# Altium PCB PCB1.PcbDoc (part 5 of 5)
Units mm, origin at the board's own origin, x right, y up, seen from the top; angles counter-clockwise.
Board outline 140 x 90 mm, 6 copper layers (Top Layer, GND, Power, Layer 4, GND2, Bottom Layer), stack 1.503 mm thick; 176 components, 276 nets, 1448 pads, 686 vias.
Unrouted connection lines stored in the file: 7.
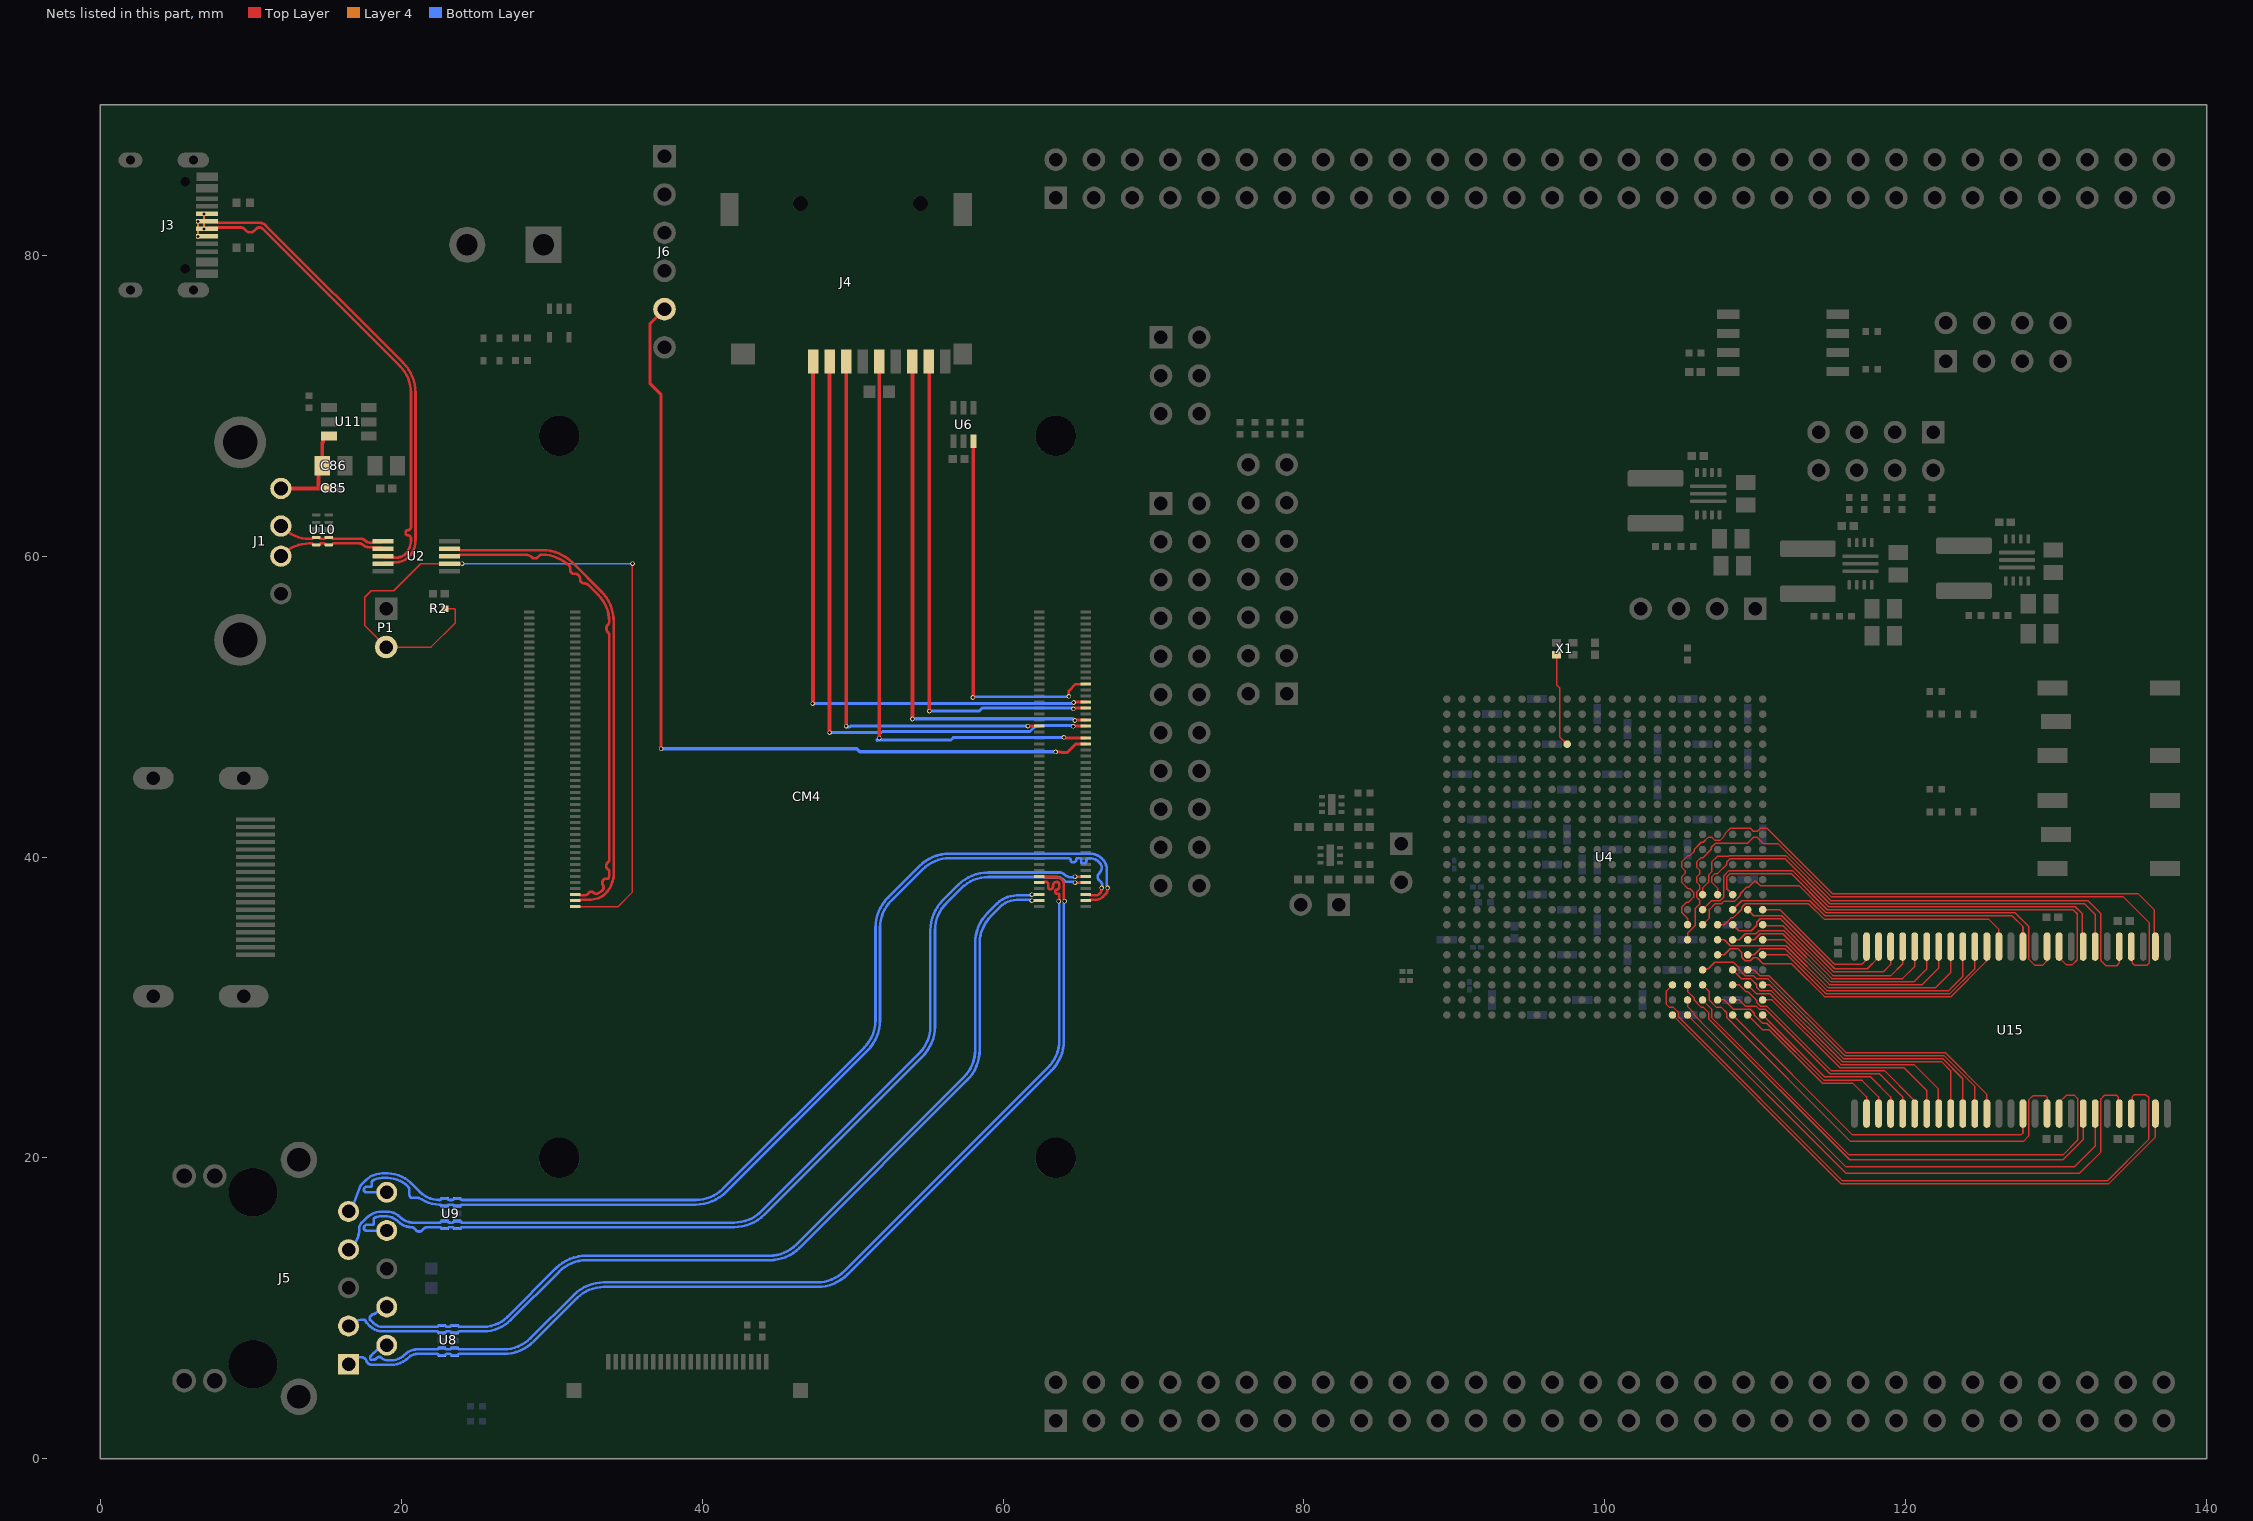
[diagram p9: the nets of this part, all layers, seen from the top]

## Via types
v1: diameter 0.305, hole 0.203, Top Layer to Bottom Layer, 686 vias

## Nets (pads, with @x,y where several pads share a name; then routed paths per layer and width w, separated by ;. In a path a pad name is that pad's centre, name@x,y a point inside that pad or via, vN(x,y) a via of type N, cw(c..) or ccw(c..) an arc to the next point about the centre after c; other vN are vias at no path point) (continued)
SD_CLK: CM4.57 J4.5 | length 39.2
  Top Layer w0.203: v1(64.05,47.956) 64.106,47.9 CM4.57@65.5,47.9
  Top Layer w0.254: v1(51.775,47.906) J4.5@51.775,72.95
  Bottom Layer w0.203: 51.644,47.775 56.537,47.775 56.718,47.956 v1(64.05,47.956)
  Bottom Layer w0.254: 51.644,47.775 v1(51.775,47.906)
SD_CMD: CM4.62 J4.3 | length 37.1
  Top Layer w0.203: v1(61.65,48.7) CM4.62@62.42,48.7
  Top Layer w0.254: v1(49.575,48.7) J4.3@49.575,72.95
  Bottom Layer w0.203: v1@49.6,48.654 49.811,48.654 49.857,48.7 v1(61.65,48.7)
  Bottom Layer w0.254: v1(49.575,48.7) v1@49.6,48.675
SD_DAT0: CM4.63 J4.7 | length 35.4
  Top Layer w0.203: v1(64.775,49.075) 64.803,49.075 64.827,49.1 CM4.63@65.5,49.1
  Top Layer w0.254: v1(53.975,49.175) J4.7@53.975,72.95
  Bottom Layer w0.203: v1@53.975,49.213 53.993,49.194 64.629,49.194 64.748,49.075 v1(64.775,49.075)
SD_DAT1: CM4.67 J4.8 | length 33.8
  Top Layer w0.203: v1(64.675,49.85) 64.702,49.85 64.753,49.9 CM4.67@65.5,49.9
  Top Layer w0.254: v1(55.1,49.7) J4.8@55.1,72.95
  Bottom Layer w0.203: v1(55.1,49.7) 58.4,49.7 58.6,49.9 64.598,49.9 64.648,49.85 v1(64.675,49.85)
SD_DAT2: CM4.69 J4.1 | length 40.9
  Top Layer w0.203: v1(64.7,50.275) 64.727,50.275 64.753,50.3 CM4.69@65.5,50.3
  Top Layer w0.254: v1(47.351,50.203) 47.36,50.213 47.36,72.935 J4.1@47.375,72.95
  Bottom Layer w0.203: v1(47.351,50.203) 64.601,50.203 64.672,50.275 v1(64.7,50.275)
SD_DAT3: CM4.61 J4.2 | length 41.9
  Top Layer w0.203: v1(64.669,48.685) 64.682,48.698 CM4.61@65.5,48.7 CM4.61@65.5,48.7
  Top Layer w0.254: v1(48.475,48.275) J4.2@48.475,72.95
  Bottom Layer w0.203: v1(48.475,48.275) 51.928,48.275 52,48.347 61.796,48.347 62.202,48.753 64.574,48.753 64.641,48.685 v1(64.669,48.685)
SD_PWR_ON: CM4.75 U6.3 | length 25.1
  Top Layer w0.174: v1(64.378,50.677) 64.378,51.053 64.812,51.487 65.487,51.487 CM4.75@65.5,51.5
  Top Layer w0.254: v1(58,50.605) 58,50.619 58.025,50.644 U6.3@58.025,67.65
  Bottom Layer w0.174: v1@58,50.65 64.351,50.65 v1(64.378,50.677)
SDRAM_A0: U4.AB7 U15.23 | length 12.2
  Top Layer w0.1: U4.AB7@110.5,35.5 110.575,35.426 111.869,35.426 115.17,32.125 119.025,32.125 119.8,32.9 U15.23@119.8,34.05
SDRAM_A1: U4.Y7 U15.24 | length 14
  Top Layer w0.1: U4.Y7@108.5,35.5 108.899,35.101 109.742,35.101 110.101,35.46 110.101,35.665 110.335,35.899 111.677,35.899 115.2,32.376 118.527,32.376 119,32.849 U15.24@119,34.05
SDRAM_A2: U4.AA8 U15.25 | length 11.4
  Top Layer w0.1: U4.AA8@109.5,36.5 109.902,36.098 111.76,36.098 115.283,32.575 117.45,32.575 118.2,33.325 U15.25@118.2,34.05
SDRAM_A3: U4.AB8 U15.26 | length 9.4
  Top Layer w0.1: U4.AB8@110.5,36.5 111.639,36.5 115.264,32.875 117.095,32.875 117.333,33.113 117.333,33.983 U15.26@117.4,34.05
SDRAM_A4: U4.AA1 U15.29 | length 11.3
  Top Layer w0.1: U4.AA1@109.5,29.5 110.475,28.525 110.912,28.525 114.485,24.952 116.498,24.952 117.4,24.05 U15.29@117.4,22.95
SDRAM_A5: U4.W2 U15.30 | length 14.5
  Top Layer w0.1: U4.W2@107.5,30.5 107.936,30.5 108.537,29.899 109.665,29.899 109.942,29.623 109.942,29.494 110.486,28.95 110.769,28.95 114.568,25.151 117.099,25.151 118.2,24.05 U15.30@118.2,22.95
SDRAM_A6: U4.AB1 U15.31 | length 11.9
  Top Layer w0.1: U4.AB1@110.5,29.5 114.592,25.408 117.642,25.408 119,24.05 U15.31@119,22.95
SDRAM_A7: U4.Y2 U15.32 | length 15.1
  Top Layer w0.1: U4.Y2@108.5,30.5 108.936,30.5 109.338,30.098 110.056,30.098 110.255,29.899 110.665,29.899 114.957,25.607 118.243,25.607 119.8,24.05 U15.32@119.8,22.95
SDRAM_A8: U4.Y3 U15.33 | length 16.2
  Top Layer w0.1: U4.Y3@108.5,31.5 108.936,31.5 109.391,31.044 109.52,31.044 110.1,30.464 110.1,30.336 110.338,30.098 110.748,30.098 115.04,25.806 118.594,25.806 120.497,23.903 120.497,23.872 120.6,23.77 U15.33@120.6,22.95
SDRAM_A9: U4.AB2 U15.34 | length 14.9
  Top Layer w0.1: U4.AB2@110.5,30.5 111.124,30.5 115.619,26.005 119.87,26.005 121.4,24.475 U15.34@121.4,22.95
SDRAM_A10: U4.Y6 U15.22 | length 15.3
  Top Layer w0.1: U4.Y6@108.5,34.5 108.936,34.5 109.338,34.902 110.056,34.902 110.252,35.098 111.916,35.098 115.095,31.919 119.794,31.919 120.6,32.725 U15.22@120.6,34.05
SDRAM_A11: U4.AA3 U15.35 | length 17.2
  Top Layer w0.1: U4.AA3@109.5,31.5 110,31 110.098,30.902 111.004,30.902 115.702,26.204 120.546,26.204 122.175,24.575 122.175,22.975 U15.35@122.2,22.95
SDRAM_A12: U4.Y4 U15.36 | length 20.2
  Top Layer w0.1: U4.Y4@108.5,32.5 109.101,31.899 109.713,31.899 110.101,31.511 110.101,31.335 110.335,31.101 111.086,31.101 115.784,26.403 122.378,26.403 123,25.781 U15.36@123,22.95
SDRAM_BA0: U4.AB6 U15.20 | length 14.8
  Top Layer w0.1: U4.AB6@110.5,34.5 111.951,34.5 114.93,31.521 121.096,31.521 122.2,32.625 U15.20@122.2,34.05
SDRAM_BA1: U4.AA6 U15.21 | length 15.2
  Top Layer w0.1: U4.AA6@109.5,34.5 109.936,34.5 110.335,34.899 111.833,34.899 115.012,31.72 120.57,31.72 121.4,32.55 U15.21@121.4,34.05
SDRAM_CAS#: U4.AB5 U15.17 | length 17.3
  Top Layer w0.1: U4.AB5@110.5,33.5 112.106,33.5 114.682,30.924 122.943,30.924 124.6,32.581 U15.17@124.6,34.05
SDRAM_CKE: U4.AB3 U15.37 | length 18.2
  Top Layer w0.1: U4.AB3@110.5,31.5 110.969,31.5 115.867,26.602 122.46,26.602 123.8,25.262 U15.37@123.8,22.95
SDRAM_CLK: U4.V4 U15.38 | length 23.6
  Top Layer w0.1: U4.V4@106.5,32.5 106.577,32.577 106.885,32.577 107.308,33 108.564,33 108.95,32.615 108.95,32.486 109.335,32.101 109.899,32.101 110.101,31.899 110.445,31.899 110.851,31.899 115.949,26.801 122.543,26.801 124.6,24.744 U15.38@124.6,22.95
SDRAM_CS#: U4.W6 U15.19 | length 19
  Top Layer w0.1: U4.W6@107.5,34.5 107.936,34.5 108.335,34.101 112.068,34.101 114.847,31.322 121.997,31.322 123,32.325 U15.19@123,34.05
SDRAM_DQ0: U4.U7 U15.2 | length 42.9
  Top Layer w0.1: U4.U7@105.5,35.5 105.5,35.936 105.101,36.335 105.101,36.665 105.436,37 105.564,37 105.899,37.335 105.899,37.665 105.665,37.899 105.537,37.899 105.101,38.335 105.101,38.675 105.361,38.935 105.361,39.074 105.101,39.335 105.101,39.665 105.537,40.101 105.665,40.101 105.942,40.377 105.942,40.506 106.419,40.983 106.548,40.983 106.866,41.301 107.134,41.301 107.335,41.101 107.665,41.101 107.899,41.335 107.899,41.399 108,41.5 108,41.564 108.335,41.899 109.697,41.899 109.875,41.721 110.157,41.721 110.335,41.899 110.802,41.899 115.151,37.55 135.475,37.55 136.538,36.487 136.538,34.112 U15.2@136.6,34.05
SDRAM_DQ1: U4.U6 U15.4 | length 44.2
  Top Layer w0.1: U4.U6@105.5,34.5 105.5,34.929 106,35.429 106,36.564 106.301,36.866 106.301,37.125 106.248,37.179 106.248,37.188 106.101,37.335 106.101,37.665 106.301,37.866 106.301,38.134 106.101,38.335 106.101,38.665 106.301,38.866 106.301,39.134 106.101,39.335 106.101,39.665 106.377,39.942 106.506,39.942 107.08,40.515 107.08,40.644 107.338,40.902 109.466,40.902 109.782,41.218 109.792,41.218 109.875,41.301 110.134,41.301 110.537,40.899 111.521,40.899 115.069,37.351 134.474,37.351 136.2,35.625 136.2,32.975 136.025,32.8 135.225,32.8 135.067,32.958 135.067,33.983 U15.4@135,34.05
SDRAM_DQ2: U4.V9 U15.5 | length 35.7
  Top Layer w0.1: U4.V9@106.5,37.5 106.5,37.936 106.902,38.338 106.902,38.816 107.101,39.015 107.101,39.665 107.491,40.056 108.21,40.056 108.252,40.098 112.041,40.098 115.039,37.1 132.125,37.1 132.974,36.251 132.974,33.126 133.325,32.775 134.025,32.775 134.2,32.95 U15.5@134.2,34.05
SDRAM_DQ3: U4.W9 U15.7 | length 31.1
  Top Layer w0.1: U4.W9@107.5,37.5 107.5,37.936 107.101,38.335 107.101,38.665 107.335,38.899 107.5,38.899 108.101,39.5 108.101,39.665 108.335,39.899 111.958,39.899 114.956,36.901 131.88,36.901 132.6,36.181 U15.7@132.6,34.05
SDRAM_DQ4: U4.V8 U15.8 | length 30.5
  Top Layer w0.1: U4.V8@106.5,36.5 107.098,37.098 107.662,37.098 107.902,37.338 107.902,38.748 108.252,39.098 112.478,39.098 114.874,36.702 131.273,36.702 131.75,36.225 131.75,34.1 U15.8@131.8,34.05
SDRAM_DQ5: U4.Y9 U15.10 | length 31.2
  Top Layer w0.1: U4.Y9@108.5,37.5 108.101,37.899 108.101,38.665 108.335,38.899 112.395,38.899 114.791,36.503 131.122,36.503 131.4,36.225 131.4,33.175 131.05,32.825 130.7,32.825 130.2,33.325 U15.10@130.2,34.05
SDRAM_DQ6: U4.V7 U15.11 | length 29.2
  Top Layer w0.1: U4.V7@106.5,35.5 106.956,35.956 106.956,36.52 107.335,36.899 107.745,36.899 107.896,37.05 108.615,37.05 109,37.436 109,37.564 109.436,38 109.564,38 109.959,38.394 110.041,38.394 110.335,38.101 112.912,38.101 114.713,36.3 127.274,36.3 128.174,35.4 128.174,33.222 128.598,32.798 129.098,32.798 129.4,33.1 U15.11@129.4,34.05
SDRAM_DQ7: U4.Y8 U15.13 | length 21.6
  Top Layer w0.1: U4.Y8@108.5,36.5 109.101,37.101 113.63,37.101 114.63,36.101 127.074,36.101 127.8,35.375 U15.13@127.8,34.05
SDRAM_DQ8: U4.Y1 U15.42 | length 24
  Top Layer w0.1: U4.Y1@108.5,29.5 116.475,21.525 127.675,21.525 127.8,21.65 U15.42@127.8,22.95
SDRAM_DQ9: U4.V3 U15.44 | length 31.5
  Top Layer w0.1: U4.V3@106.5,31.5 106.956,31.044 106.956,30.48 107.436,30 107.75,30 108.101,29.649 108.101,29.335 116.336,21.1 127.825,21.1 128.175,21.45 128.175,23.85 128.45,24.125 129.3,24.125 129.4,24.025 U15.44@129.4,22.95
SDRAM_DQ10: U4.V2 U15.45 | length 34.9
  Top Layer w0.1: U4.V2@106.5,30.5 107.101,29.899 107.101,29.335 116.236,20.2 130.45,20.2 131.425,21.175 131.425,23.95 131.225,24.15 130.675,24.15 130.2,23.675 U15.45@130.2,22.95
SDRAM_DQ11: U4.U3 U15.47 | length 34
  Top Layer w0.1: U4.U3@105.5,31.5 105.5,31.064 105.956,30.609 105.956,30.48 106.436,30 106.564,30 106.899,29.665 106.899,29.255 116.279,19.875 130.45,19.875 131.8,21.225 U15.47@131.8,22.95
SDRAM_DQ12: U4.U2 U15.48 | length 34.8
  Top Layer w0.1: U4.U2@105.5,30.5 105.5,30.064 105.956,29.609 105.956,29.48 106.936,28.5 116.036,19.4 131.2,19.4 132.6,20.8 U15.48@132.6,22.95
SDRAM_DQ13: U4.U1 U15.50 | length 38.4
  Top Layer w0.1: U4.U1@105.5,29.5 116.025,18.975 131.55,18.975 132.975,20.4 132.975,23.925 133.2,24.15 134.025,24.15 134.133,24.042 134.133,23.017 U15.50@134.2,22.95
SDRAM_DQ14: U4.T3 U15.51 | length 44.9
  Top Layer w0.1: U4.T3@104.5,31.5 104.101,31.101 104.101,30.208 104.309,30 104.564,30 104.899,29.665 104.899,29.382 115.806,18.475 133.394,18.475 136.174,21.255 136.174,24.041 136.115,24.1 136.05,24.1 135.95,24.2 135.2,24.2 135.05,24.05 135.05,23 U15.51@135,22.95
SDRAM_DQ15: U4.T1 U15.53 | length 39.6
  Top Layer w0.1: U4.T1@104.5,29.5 115.724,18.276 133.476,18.276 136.6,21.4 U15.53@136.6,22.95
SDRAM_DQMH: U4.AA4 U15.39 | length 20.6
  Top Layer w0.1: U4.AA4@109.5,32.5 109.936,32.5 110.335,32.101 110.524,32.101 110.527,32.098 110.933,32.098 116.031,27 122.625,27 125.4,24.225 U15.39@125.4,22.95
SDRAM_DQML: U4.W7 U15.15 | length 21.2
  Top Layer w0.1: U4.W7@107.5,35.5 107.936,35.5 108.385,35.949 108.514,35.949 109.1,36.536 109.1,36.664 109.338,36.902 113.548,36.902 114.575,35.875 125.5,35.875 126.2,35.175 U15.15@126.2,34.05
SDRAM_RAS#: U4.AA5 U15.18 | length 18
  Top Layer w0.1: U4.AA5@109.5,33.5 109.936,33.5 110.335,33.899 111.989,33.899 114.765,31.123 122.86,31.123 123.8,32.063 U15.18@123.8,34.05
SDRAM_WE#: U4.W5 U15.16 | length 21.7
  Top Layer w0.1: U4.W5@107.5,33.5 107.936,33.5 108.335,33.899 108.851,33.899 109.101,33.649 109.101,33.335 109.335,33.101 109.665,33.101 109.865,33.301 110.135,33.301 110.537,32.899 112.426,32.899 114.6,30.725 123.025,30.725 125.347,33.047 125.347,33.997 U15.16@125.4,34.05
SYS_CLK_50: U4.J19 X1.3 | length 6.2
  Top Layer w0.1: X1.3@96.792,53.45 96.792,51.458 97,51.25 97,48 U4.J19@97.5,47.5
TRD1_N: CM4.10 J5.2 U8.2 U8.9 | length 69.1
  Top Layer w0.174: CM4.10@62.42,38.3 62.635,38.3 ccw(c62.635,38.384) 62.695,38.325 cw(c62.754,38.265) 62.754,38.349 62.851,38.349 cw(c62.851,38.192) 63.008,38.192 63.008,37.978 ccw(c63.133,37.978) 63.133,37.852 ccw(c63.133,38.045) 63.326,38.045 63.326,38.109 cw(c63.569,38.105) 63.569,38.348 63.584,38.348 cw(c63.566,38.171) 63.744,38.171 63.744,38.026 cw(c63.547,38.026) 63.744,38.02 cw(c63.547,38.026) 63.547,37.829 ccw(c63.547,37.759) 63.477,37.759 63.477,37.67 ccw(c63.579,37.67) 63.579,37.569 63.638,37.569 cw(c63.638,37.463) 63.744,37.463 63.744,37.206 ccw(c63.868,37.082) 63.718,37.172 ccw(c63.868,37.082) 63.693,37.082 v1(63.693,37.062)
  Bottom Layer w0.174: 18.324,6.655 18.361,6.692 cw(c18.56,6.493) 18.56,6.775 ccw(c18.619,6.834) 18.619,6.75 ccw(c19.117,7.249) 19.117,6.544 19.337,6.544 ccw(c19.337,7.793) 20.22,6.91 cw(c21.103,6.027) 21.103,7.276 22.355,7.276 ccw(c22.355,7.445) 22.475,7.325 cw(c22.595,7.205) 22.595,7.375 U8.2@22.708,7.375 22.82,7.375 cw(c22.82,7.205) 22.94,7.325 ccw(c23.06,7.445) 23.06,7.276 23.19,7.276 ccw(c23.19,7.445) 23.31,7.325 cw(c23.43,7.205) 23.43,7.375 U8.9@23.543,7.375 23.655,7.375 cw(c23.655,7.205) 23.775,7.325 ccw(c23.895,7.445) 23.895,7.276 26.799,7.276 ccw(c26.799,9.816) 28.595,8.02 31.47,10.895 cw(c33.477,8.888) 33.477,11.726 47.653,11.726 ccw(c47.653,14.266) 49.449,12.47 63,26.021 ccw(c61.204,27.817) 63.122,26.152 ccw(c61.204,27.817) 63.73,27.554 ccw(c61.204,27.817) 63.744,27.817 63.744,29.99 63.744,36.919 ; 18.324,6.655 cw(c18.178,6.801) 18.178,6.595 17.983,6.595 cw(c18.106,6.718) 17.932,6.718 cw(c18.106,6.718) 17.983,6.842 18.198,7.057 ccw(c18.198,7.092) 18.223,7.067 18.478,7.322 cw(c19.04,6.761) J5.2@19.04,7.555
TRD1_P: CM4.12 J5.1 U8.1 U8.10 | length 69.2
  Top Layer w0.174: CM4.12@62.42,38.7 62.635,38.7 cw(c62.635,38.616) 62.695,38.675 ccw(c62.754,38.735) 62.754,38.651 63.566,38.651 cw(c63.566,38.171) 64.045,38.171 64.045,37.648 64.045,37.206 64.072,37.18 64.072,37.087 v1(64.097,37.062)
  Bottom Layer w0.174: J5.1@16.5,6.285 16.698,6.483 cw(c17.351,5.831) 17.351,6.754 cw(c17.351,6.395) 17.605,6.649 17.643,6.61 ccw(c18.106,6.718) 17.702,6.468 cw(c17.553,6.376) 17.718,6.434 17.822,6.33 ccw(c18.033,6.542) 18.033,6.243 19.337,6.243 ccw(c19.337,7.793) 20.311,6.587 cw(c20.421,6.452) 20.345,6.608 20.598,6.828 20.609,6.835 cw(c20.701,6.687) 20.63,6.846 20.797,6.922 cw(c20.87,6.764) 20.818,6.93 cw(c21.103,6.027) 21.103,6.974 22.355,6.974 cw(c22.355,6.805) 22.475,6.925 ccw(c22.595,7.045) 22.595,6.875 U8.1@22.708,6.875 22.82,6.875 ccw(c22.82,7.045) 22.94,6.925 cw(c23.06,6.805) 23.06,6.974 23.19,6.974 cw(c23.19,6.805) 23.31,6.925 ccw(c23.43,7.045) 23.43,6.875 U8.10@23.543,6.875 23.655,6.875 ccw(c23.655,7.045) 23.775,6.925 cw(c23.895,6.805) 23.895,6.974 26.8,6.974 ccw(c26.8,9.813) 28.807,7.806 31.682,10.681 cw(c33.478,8.885) 33.478,11.425 47.654,11.425 ccw(c47.654,14.263) 49.661,12.256 63.216,25.811 ccw(c61.213,27.813) 63.218,25.813 ccw(c61.213,27.813) 64.045,27.813 64.045,36.919
TRD2_N: CM4.6 J5.4 U8.5 U8.6 | length 63
  Top Layer w0.174: v1(61.915,37.502) 61.917,37.5 CM4.6@62.42,37.5
  Bottom Layer w0.174: 18.278,9.662 cw(c18.166,9.775) 18.166,9.616 ccw(c18.166,9.457) 18.053,9.569 17.949,9.465 ccw(c18.072,9.341) 17.898,9.341 ccw(c18.072,9.341) 17.949,9.218 18.144,9.022 ccw(c18.74,9.618) 18.74,8.776 22.355,8.776 ccw(c22.355,8.945) 22.475,8.825 cw(c22.595,8.705) 22.595,8.875 U8.5@22.708,8.875 22.82,8.875 cw(c22.82,8.705) 22.94,8.825 ccw(c23.06,8.945) 23.06,8.776 23.19,8.776 ccw(c23.19,8.945) 23.31,8.825 cw(c23.43,8.705) 23.43,8.875 U8.6@23.543,8.875 23.655,8.875 cw(c23.655,8.705) 23.775,8.825 ccw(c23.895,8.945) 23.895,8.776 25.475,8.776 ccw(c25.475,11.008) 27.053,9.429 30.292,12.669 cw(c32.3,10.661) 32.3,13.5 44.482,13.5 ccw(c44.482,16.018) 46.263,14.238 57.406,25.381 ccw(c55.61,27.177) 58.15,27.177 58.15,34.275 cw(c60.989,34.275) 58.981,36.283 59.613,36.914 cw(c60.909,35.618) 60.909,37.451 61.753,37.451 ccw(c61.753,37.496) 61.785,37.464 cw(c61.816,37.432) 61.816,37.477 61.855,37.477 ccw(c61.855,37.562) v1(61.915,37.502) ; 18.278,9.662 18.478,9.862 cw(c19.04,9.301) J5.4@19.04,10.095
TRD2_P: CM4.4 J5.3 U8.4 U8.7 | length 63.2
  Top Layer w0.174: v1(61.915,37.098) 61.917,37.1 CM4.4@62.42,37.1
  Bottom Layer w0.174: J5.3@16.5,8.825 16.538,8.863 cw(c17.485,7.915) 17.485,9.255 cw(c17.476,9.081) 17.636,9.151 ccw(c18.072,9.341) 17.676,9.077 cw(c17.531,8.981) 17.691,9.049 17.933,8.808 ccw(c18.737,9.612) 18.737,8.474 22.355,8.474 cw(c22.355,8.305) 22.475,8.425 ccw(c22.595,8.545) 22.595,8.375 U8.4@22.708,8.375 22.82,8.375 ccw(c22.82,8.545) 22.94,8.425 cw(c23.06,8.305) 23.06,8.474 23.19,8.474 cw(c23.19,8.305) 23.31,8.425 ccw(c23.43,8.545) 23.43,8.375 U8.7@23.543,8.375 23.655,8.375 ccw(c23.655,8.545) 23.775,8.425 cw(c23.895,8.305) 23.895,8.474 25.479,8.474 ccw(c25.479,10.999) 27.264,9.214 30.505,12.455 cw(c32.301,10.659) 32.301,13.199 44.486,13.199 ccw(c44.486,16.008) 46.473,14.022 57.62,25.169 ccw(c55.613,27.176) 58.451,27.176 58.451,34.274 cw(c60.991,34.274) 59.195,36.07 59.825,36.7 cw(c60.91,35.615) 60.91,37.149 61.753,37.149 ; 61.753,37.149 cw(c61.753,37.105) 61.785,37.136 ccw(c61.816,37.168) 61.816,37.123 61.855,37.123 cw(c61.855,37.038) v1(61.915,37.098)
TRD3_N: CM4.9 J5.8 U9.5 U9.6 | length 64.9
  Top Layer w0.174: v1(64.8,38.298) 64.801,38.3 CM4.9@65.5,38.3
  Bottom Layer w0.174: J5.8@19.04,15.175 19.033,15.168 17.691,15.168 cw(c17.691,15.342) 17.567,15.219 cw(c17.691,15.342) 17.516,15.342 cw(c17.691,15.342) 17.567,15.466 17.648,15.546 18.049,15.546 ccw(c18.049,15.674) 18.178,15.674 18.178,15.947 cw(c18.337,15.877) 18.267,16.036 cw(c18.74,14.907) 18.74,16.132 18.918,16.132 cw(c18.918,14.881) 19.802,15.765 ccw(c20.686,16.649) 20.686,15.399 cw(c20.686,15.184) 20.838,15.336 21.005,15.17 ccw(c21.152,15.317) 21.152,15.109 21.18,15.109 ccw(c21.18,15.42) 21.4,15.2 21.461,15.261 cw(c21.795,14.927) 21.795,15.399 22.53,15.399 cw(c22.53,15.23) 22.65,15.35 ccw(c22.77,15.47) 22.77,15.3 U9.6@22.882,15.3 22.995,15.3 ccw(c22.995,15.47) 23.115,15.35 cw(c23.235,15.23) 23.235,15.399 23.365,15.399 cw(c23.365,15.23) 23.485,15.35 ccw(c23.605,15.47) 23.605,15.3 U9.5@23.717,15.3 23.83,15.3 ccw(c23.83,15.47) 23.95,15.35 cw(c24.07,15.23) 24.07,15.399 42.125,15.399 ccw(c42.125,18.238) 44.132,16.231 54.645,26.744 ccw(c52.638,28.751) 55.476,28.751 55.476,35.122 cw(c58.016,35.122) 55.476,35.129 cw(c58.016,35.122) 56.128,36.821 cw(c58.016,35.122) 56.22,36.918 57.233,37.931 cw(c59.029,36.135) 59.029,38.675 63.593,38.675 cw(c63.593,38.119) 63.986,38.513 64.062,38.437 ccw(c64.273,38.649) 64.063,38.436 ccw(c64.273,38.649) 64.272,38.349 ; 64.273,38.349 64.638,38.349 cw(c64.638,38.305) 64.669,38.336 ccw(c64.701,38.368) v1@64.7,38.323 ; v1@64.701,38.323 64.739,38.323 cw(c64.739,38.238) v1(64.8,38.298)
TRD3_P: CM4.11 J5.7 U9.4 U9.7 | length 65.1
  Top Layer w0.174: v1(64.8,38.702) 64.801,38.7 CM4.11@65.5,38.7
  Bottom Layer w0.174: J5.7@16.5,13.905 J5.7@16.748,14.153 ; J5.7@16.749,14.154 ccw(c15.621,15.28) 17.215,15.28 17.215,15.344 cw(c17.687,15.344) 17.353,15.678 17.664,15.988 cw(c18.738,14.914) 18.738,16.433 19.043,16.433 cw(c19.043,15.183) 19.927,16.067 ccw(c20.811,16.951) 20.811,15.701 22.53,15.701 ccw(c22.53,15.87) 22.65,15.75 cw(c22.77,15.63) 22.77,15.8 U9.7@22.882,15.8 22.995,15.8 cw(c22.995,15.63) 23.115,15.75 ccw(c23.235,15.87) 23.235,15.701 23.365,15.701 ccw(c23.365,15.87) 23.485,15.75 cw(c23.605,15.63) 23.605,15.8 U9.4@23.717,15.8 23.83,15.8 cw(c23.83,15.63) 23.95,15.75 ccw(c24.07,15.87) 24.07,15.701 42.124,15.701 ccw(c42.124,18.241) 43.92,16.445 54.431,26.956 ccw(c52.635,28.752) 55.175,28.752 55.175,35.123 cw(c58.014,35.123) 56.006,37.131 57.021,38.145 cw(c59.028,36.138) 59.028,38.976 63.718,38.976 cw(c63.718,38.42) 64.111,38.814 ccw(c64.505,39.207) 64.113,38.812 ccw(c64.505,39.207) 64.503,38.651 ccw(c64.505,39.207) 64.505,38.651 64.638,38.651 ccw(c64.638,38.696) 64.669,38.664 cw(c64.701,38.632) 64.701,38.677 64.739,38.677 ccw(c64.739,38.762) v1(64.8,38.702)
TRD4_N: CM4.5 J5.10 U9.2 U9.9 | length 70
  Top Layer w0.174: CM4.5@65.5,37.5 65.715,37.5 cw(c65.715,37.416) 65.775,37.475 ccw(c65.834,37.535) 65.834,37.451 66.127,37.451 ccw(c66.127,37.899) 66.444,37.582 ccw(c66.187,37.838) 66.509,37.671 ccw(c66.187,37.838) 66.55,37.838 v1(66.55,37.95)
  Bottom Layer w0.174: J5.10@19.04,17.715 19.033,17.708 17.691,17.708 cw(c17.691,17.882) 17.567,17.759 cw(c17.691,17.882) 17.516,17.882 cw(c17.691,17.882) 17.567,18.006 17.641,18.079 17.927,18.079 ccw(c17.927,18.2) 18.048,18.2 18.048,18.396 cw(c18.218,18.359) 18.12,18.503 cw(c18.218,18.359) 18.132,18.51 cw(c18.738,17.454) 18.183,18.538 cw(c18.262,18.382) 18.196,18.544 cw(c18.74,17.447) 18.74,18.672 19.086,18.672 cw(c19.086,16.761) 20.437,18.112 cw(c20.185,17.86) 20.541,17.86 20.541,17.588 ccw(c20.836,17.588) 20.627,17.38 ccw(c20.72,17.472) 20.72,17.341 21.128,17.341 cw(c21.128,17.167) 21.205,17.323 21.379,17.237 ccw(c22.527,19.018) 22.527,16.899 22.53,16.899 cw(c22.53,16.73) 22.65,16.85 ccw(c22.77,16.97) 22.77,16.8 U9.9@22.882,16.8 22.995,16.8 ccw(c22.995,16.97) 23.115,16.85 cw(c23.235,16.73) 23.235,16.899 23.365,16.899 cw(c23.365,16.73) 23.485,16.85 ccw(c23.605,16.97) 23.605,16.8 U9.2@23.717,16.8 23.83,16.8 ccw(c23.83,16.97) 23.95,16.85 cw(c24.07,16.73) 24.07,16.899 24.499,16.899 ; 24.5,16.899 39.574,16.899 ccw(c39.574,19.737) 41.581,17.73 50.994,27.142 ccw(c48.986,29.15) 51.825,29.15 51.825,35.298 cw(c54.365,35.298) 52.568,37.093 54.656,39.181 cw(c56.452,37.385) 56.452,39.925 60.182,39.925 ; 60.249,39.925 64.345,39.925 cw(c64.345,39.751) 64.5,39.83 64.5,39.786 ccw(c64.636,39.786) 64.636,39.65 64.679,39.65 cw(c64.775,39.325) 64.727,39.66 ccw(c64.703,39.833) 64.877,39.821 ccw(c64.682,39.834) 64.877,39.834 64.877,39.858 cw(c64.944,39.858) 64.944,39.925 65.118,39.925 cw(c65.055,39.762) 65.199,39.861 ; 65.199,39.86 65.199,39.694 ccw(c65.311,39.694) 65.311,39.582 65.372,39.582 ccw(c65.372,39.757) 65.548,39.757 65.548,39.825 cw(c65.642,39.825) 65.642,39.92 65.868,39.92 cw(c65.774,39.077) 66.113,39.854 cw(c65.774,39.077) 66.377,39.673 cw(c65.833,39.131) 66.486,39.535 cw(c65.833,39.131) 66.565,39.365 66.565,39.342 cw(c65.954,39.342) 66.387,38.911 cw(c65.954,39.342) 66.386,38.91 ccw(c66.617,38.678) 66.29,38.678 ccw(c66.575,38.678) 66.373,38.477 66.504,38.346 cw(c66.271,38.112) 66.601,38.112 cw(c66.556,38.112) 66.588,38.08 ccw(c66.62,38.049) 66.575,38.049 66.575,38.01 cw(c66.49,38.01) v1(66.55,37.95)
TRD4_P: CM4.3 J5.9 U9.1 U9.10 | length 70.2
  Top Layer w0.174: CM4.3@65.5,37.1 65.715,37.1 ccw(c65.715,37.184) 65.775,37.125 cw(c65.834,37.065) 65.834,37.149 66.128,37.149 ccw(c66.128,37.896) 66.656,37.368 66.828,37.54 ccw(c66.586,37.783) 66.929,37.783 66.929,37.89 cw(c67.014,37.89) v1(66.954,37.95)
  Bottom Layer w0.174: J5.9@16.5,16.445 16.703,16.648 ccw(c16.579,16.77) 16.742,16.709 17.239,18.034 17.245,18.049 cw(c17.691,17.882) 17.353,18.218 17.664,18.528 cw(c18.738,17.454) 18.738,18.973 19.088,18.973 cw(c19.088,16.767) 20.648,18.327 21.24,17.735 ccw(c22.53,19.026) 22.53,17.201 ccw(c22.53,17.37) 22.65,17.25 cw(c22.77,17.13) 22.77,17.3 U9.10@22.882,17.3 22.995,17.3 cw(c22.995,17.13) 23.115,17.25 ccw(c23.235,17.37) 23.235,17.201 23.365,17.201 ccw(c23.365,17.37) 23.485,17.25 cw(c23.605,17.13) 23.605,17.3 U9.1@23.717,17.3 23.83,17.3 cw(c23.83,17.13) 23.95,17.25 ccw(c24.07,17.37) 24.07,17.201 24.624,17.201 ; 24.625,17.2 39.573,17.2 ccw(c39.573,19.74) 41.369,17.944 50.78,27.355 ccw(c48.984,29.151) 51.524,29.151 51.524,35.299 cw(c54.362,35.299) 52.355,37.306 54.444,39.395 cw(c56.451,37.388) 56.451,40.226 60.182,40.226 65.774,40.226 cw(c65.774,39.077) 66.587,39.89 66.589,39.887 cw(c65.833,39.131) 66.903,39.131 66.903,38.112 ccw(c66.947,38.112) 66.916,38.08 cw(c66.884,38.049) 66.929,38.049 66.929,38.01 ccw(c67.014,38.01) v1(66.954,37.95)
TXD0: CM4.55 J6.5 | length 58.5
  Top Layer w0.203: v1(37.275,47.2) 37.275,70.725 36.549,71.451 36.549,75.469 J6.5@37.5,76.42 ; v1(63.5,46.994) 63.519,46.975 63.847,46.975 63.879,46.943 64.267,46.943 64.474,47.15 64.824,47.5 CM4.55@65.5,47.5
  Bottom Layer w0.203: v1(37.275,47.2) 50.287,47.2 50.487,47 63.494,47 v1(63.5,46.994)
USB_+5: C85.2 C86.1 J1.1 U11.6 | length 7
  Top Layer w0.254: J1.1@12,64.5 14.5,64.5 ; C85.2@15.11,64.5 14.5,64.5 ; U11.6@15.19,67.98 14.965,67.98 14.792,67.807 14.792,67.582 14.75,67.54 C86.1@14.75,66 14.5,65.75 14.5,64.5
USB_N: CM4.103 U2.4 | length 33.7
  Top Layer w0.174: U2.4@23.2,60.5 ccw(c23.352,60.652) 23.352,60.437 23.853,60.437 cw(c23.853,60.375) 23.897,60.419 ccw(c23.941,60.463) 23.941,60.401 29.374,60.401 cw(c29.374,57.561) 31.382,59.569 33.295,57.656 cw(c31.288,55.649) 34.126,55.649 34.126,38.92 cw(c32.203,38.922) 34.124,38.819 34.113,38.621 cw(c33.812,38.636) 34.1,38.547 34.041,38.355 cw(c32.203,38.922) 33.565,37.564 ; CM4.103@31.58,37.1 31.795,37.1 ccw(c31.795,37.184) 31.855,37.125 cw(c31.914,37.065) 31.914,37.149 32.57,37.149 ccw(c32.57,37.324) 32.607,37.153 33.101,37.261 ccw(c33.037,37.555) 33.165,37.283 ccw(c32.567,38.558) 33.562,37.561 33.564,37.563
USB_OTG_ID: CM4.101 P1.2 R2.2 U2.2 | length 55.5
  Top Layer w0.1: R2.2@22.9,56.5 23.541,56.5 23.6,56.441 23.6,55.575 21.985,53.96 P1.2@19,53.96 17.575,55.385 17.575,57.275 18,57.7 19.5,57.7 21.3,59.5 U2.2@23.2,59.5 v1(24.05,59.5) ; CM4.101@31.58,36.7 34.4,36.7 35.37,37.67 v1(35.37,59.5)
  Bottom Layer w0.1: v1(24.05,59.5) v1(35.37,59.5)
USB_P: CM4.105 U2.3 | length 33.7
  Top Layer w0.174: U2.3@23.2,60 cw(c23.352,59.848) 23.352,60.063 23.853,60.063 ccw(c23.853,60.125) 23.896,60.081 cw(c23.941,60.037) 23.941,60.099 28.274,60.099 cw(c28.274,59.535) 28.673,59.934 28.683,59.924 ccw(c28.85,60.092) 28.85,59.855 28.922,59.855 ccw(c28.922,60.05) 29.06,59.912 29.177,60.028 cw(c29.348,59.857) 29.348,60.099 29.374,60.099 cw(c29.374,57.559) 31.17,59.355 ; 31.17,59.355 cw(c31.009,59.195) 31.236,59.195 31.236,59.07 ccw(c31.49,59.07) 31.311,58.89 ccw(c31.453,59.033) 31.453,58.831 31.568,58.831 cw(c31.568,58.527) 31.783,58.742 cw(c31.519,58.478) 31.892,58.478 31.892,58.426 ccw(c32.067,58.426) 31.943,58.303 31.977,58.269 ccw(c32.17,58.463) 32.17,58.189 cw(c32.17,57.789) 32.453,58.072 33.081,57.444 cw(c31.285,55.648) 33.825,55.648 cw(c33.531,55.648) 33.739,55.44 33.722,55.423 ccw(c33.916,55.229) 33.642,55.229 33.642,55.136 ccw(c33.831,55.136) 33.697,55.002 33.737,54.962 cw(c33.525,54.75) 33.825,54.75 33.825,39.81 cw(c33.625,39.81) 33.766,39.668 33.698,39.6 ccw(c33.876,39.422) 33.624,39.422 33.624,39.416 ccw(c33.901,39.416) 33.705,39.22 ; CM4.105@31.58,37.5 31.795,37.5 cw(c31.795,37.416) 31.855,37.475 ccw(c31.914,37.535) 31.914,37.451 32.137,37.451 ccw(c32.137,37.85) 32.42,37.568 32.509,37.657 cw(c32.608,37.557) 32.608,37.697 32.623,37.697 cw(c32.623,37.477) 32.778,37.633 ccw(c32.966,37.82) 32.966,37.555 33.037,37.555 ccw(c32.567,38.558) 33.35,37.775 ccw(c32.203,38.922) 33.441,37.874 33.441,38.06 ccw(c33.32,38.06) 33.406,38.146 cw(c33.486,38.227) 33.372,38.227 33.372,38.312 cw(c33.627,38.312) 33.447,38.492 cw(c33.601,38.339) 33.601,38.556 33.693,38.556 ccw(c33.693,38.649) 33.759,38.583 33.797,38.621 ccw(c32.203,38.922) 33.825,38.922 33.825,39.048 ccw(c33.698,39.048) 33.788,39.138 33.705,39.22
USBD_N: J3.A7 J3.B7 U2.8 | length 32.8
  Top Layer w0.174: v1(6.9,81.75) 7.042,81.75 7.067,81.725 J3.A7@7.092,81.75 ; J3.A7@7.092,81.75 cw(c7.244,81.598) 7.244,81.813 7.77,81.813 ccw(c7.77,81.875) J3.A7@7.813,81.83 ; J3.A7@7.814,81.831 cw(c7.858,81.787) 7.858,81.849 9.325,81.849 cw(c9.325,81.486) 9.582,81.743 9.7,81.625 ccw(c9.941,81.866) 9.941,81.525 9.975,81.525 ccw(c9.975,81.887) 10.231,81.631 10.346,81.746 cw(c10.596,81.496) 10.596,81.849 cw(c10.596,81.596) 10.775,81.775 19.906,72.644 cw(c18.11,70.848) 20.65,70.848 20.65,61.95 cw(c20.425,61.95) 20.425,61.725 ccw(c20.425,61.6) 20.3,61.6 20.3,61.5 ccw(c20.4,61.5) 20.4,61.4 cw(c20.4,61.15) 20.65,61.15 20.65,61.055 cw(c19.37,61.055) 20.275,60.15 cw(c19.673,60.752) 19.673,59.901 19.541,59.901 cw(c19.541,59.963) 19.497,59.919 ccw(c19.453,59.875) 19.453,59.937 18.952,59.937 cw(c18.952,60.152) U2.8@18.8,60
  Layer 4 w0.134: v1@6.9,81.725 v1(6.9,81.75) v1(6.9,82.75)
USBD_P: J3.A6 J3.B6 U2.9 | length 33
  Top Layer w0.174: J3.A6@7.092,82.25 ccw(c7.244,82.402) 7.244,82.187 7.77,82.187 cw(c7.77,82.125) 7.814,82.169 ccw(c7.858,82.213) 7.858,82.151 10.597,82.151 cw(c10.597,81.599) 10.987,81.989 ; 10.987,81.989 20.12,72.856 cw(c18.113,70.849) 20.951,70.849 20.951,61.054 cw(c19.374,61.054) 20.489,59.938 20.486,59.935 cw(c19.676,60.746) 19.676,59.599 19.541,59.599 ccw(c19.541,59.537) 19.497,59.581 cw(c19.453,59.625) 19.453,59.563 18.952,59.563 ccw(c18.952,59.348) U2.9@18.8,59.5
  Layer 4 w0.134: v1(6.5,81.25) v1(6.5,82.25)
USBH_N: J1.2 U2.6 U10.2 U10.9 | length 7.2
  Top Layer w0.174: J1.2@12,62 12.105,61.895 ccw(c13.901,63.691) 13.901,61.151 13.998,61.151 ccw(c13.998,61.32) 14.118,61.2 cw(c14.238,61.08) 14.238,61.25 U10.9@14.35,61.25 14.462,61.25 cw(c14.462,61.08) 14.582,61.2 ccw(c14.702,61.32) 14.702,61.151 14.833,61.151 ccw(c14.833,61.32) 14.953,61.2 cw(c15.073,61.08) 15.073,61.25 U10.2@15.185,61.25 15.297,61.25 cw(c15.297,61.08) 15.417,61.2 ccw(c15.537,61.32) 15.537,61.151 17.324,61.151 cw(c17.324,60.724) 17.626,61.026 17.632,61.019 ccw(c17.918,61.304) 17.918,60.901 18.059,60.901 ccw(c18.059,60.963) 18.103,60.919 cw(c18.147,60.875) 18.147,60.937 18.648,60.937 ccw(c18.648,61.152) U2.6@18.8,61
USBH_P: J1.3 U2.7 U10.1 U10.10 | length 7.2
  Top Layer w0.174: J1.3@12,60 12.105,60.105 cw(c13.901,58.309) 13.901,60.849 13.998,60.849 cw(c13.998,60.68) 14.118,60.8 ccw(c14.238,60.92) 14.238,60.75 U10.10@14.35,60.75 14.462,60.75 ccw(c14.462,60.92) 14.582,60.8 cw(c14.702,60.68) 14.702,60.849 14.833,60.849 cw(c14.833,60.68) 14.953,60.8 ccw(c15.073,60.92) 15.073,60.75 U10.1@15.185,60.75 15.297,60.75 ccw(c15.297,60.92) 15.417,60.8 cw(c15.537,60.68) 15.537,60.849 17.199,60.849 cw(c17.199,60.423) 17.501,60.724 ccw(c17.803,61.026) 17.803,60.599 18.059,60.599 cw(c18.059,60.537) 18.103,60.581 ccw(c18.147,60.625) 18.147,60.563 18.648,60.563 cw(c18.648,60.348) U2.7@18.8,60.5
pads on no net: CM4.0 CM4.16 CM4.18 CM4.19 CM4.28 CM4.31 CM4.64 CM4.68 CM4.70 CM4.72 CM4.73 CM4.76 CM4.80 CM4.82 CM4.89 CM4.91 CM4.94 CM4.96 CM4.104 CM4.106 CM4.111 CM4.128 CM4.130 CM4.134 CM4.136 CM4.140 CM4.142 CM4.143 CM4.145 CM4.146 CM4.147 CM4.148 CM4.149 CM4.152 CM4.154 CM4.157 CM4.158 CM4.159 CM4.160 CM4.163 CM4.164 CM4.165 CM4.166 CM4.169 CM4.171 CM4.175 CM4.177 CM4.181 CM4.183 CM4.187 CM4.189 CM4.193 CM4.194 CM4.195 CM4.196 J2.14 J2.17 J2.Shell J3.A8 J3.B8 J3.MP1 J3.MP2 J3.SHIELD1 J3.SHIELD2 J3.SHIELD3 J3.SHIELD4 J4.ALIGN-1 J4.ALIGN-2 J4.CD J5. J6.2 J6.3 J6.6 J8.18 P3.20 P4.15 P4.16 P11.7 SW1.5 SW2.5 U3.1 U4.A6 U4.AA9 U4.AA10 U4.AA11 U4.AA13 U4.AA14 U4.AA15 U4.AA16 U4.AA18 U4.AA19 U4.AB10 U4.AB11 U4.AB12 U4.AB13 U4.AB15 U4.AB16 U4.AB17 U4.AB18 U4.AB20 U4.B6 U4.C5 U4.C7 U4.D5 U4.D7 U4.E1 U4.E2 U4.E3 U4.E10 U4.F1 U4.F3 U4.F4 U4.F10 U4.G13 U4.G15 U4.G16 U4.G17 U4.G18 U4.G20 U4.H13 U4.H14 U4.H15 U4.H17 U4.H18 U4.H19 U4.H20 U4.H22 U4.J14 U4.J15 U4.J16 U4.J17 U4.J20 U4.J21 U4.J22 U4.K13 U4.K14 U4.K16 U4.K17 U4.K18 U4.K19 U4.K21 U4.K22 U4.L13 U4.L14 U4.L15 U4.L16 U4.L18 U4.L19 U4.L20 U4.L21 U4.M13 U4.M15 U4.M16 U4.M17 U4.M18 U4.M20 U4.M21 U4.M22 U4.N13 U4.N14 U4.N15 U4.N17 U4.N18 U4.N19 U4.N20 U4.N22 U4.P14 U4.P15 U4.P16 U4.P17 U4.P19 U4.P20 U4.R2 U4.R3 U4.R4 U4.R6 U4.R14 U4.R16 U4.R17 U4.R18 U4.R19 U4.T4 U4.T5 U4.T6 U4.T14 U4.T15 U4.T16 U4.T18 U4.T20 U4.T21 U4.U5 U4.U15 U4.U16 U4.U17 U4.U18 U4.U20 U4.U21 U4.V5 U4.V10 U4.V13 U4.V14 U4.V15 U4.V17 U4.V18 U4.V19 U4.V20 U4.V22 U4.W1 U4.W4 U4.W10 U4.W11 U4.W12 U4.W14 U4.W15 U4.W16 U4.W17 U4.W19 U4.W20 U4.W21 U4.W22 U4.Y11 U4.Y12 U4.Y13 U4.Y14 U4.Y16 U4.Y17 U4.Y18 U4.Y19 U4.Y21 U4.Y22 U6.4 U6.5 U8.3@22.708,7.875 U8.8@23.543,7.875 U9.3@23.717,16.3 U9.8@22.882,16.3 U10.3@15.185,61.75 U10.4 U10.5 U10.6 U10.7 U10.8@14.35,61.75 U11.4 U15.40
copper on no net: | length 0.4
  Top Layer w0.174: 103.5,46.5 103.514,46.486 cw(c103.398,46.37) 103.562,46.37 ; 104.438,46.35 cw(c104.65,46.35) 104.5,46.5 ; 106.5,47.5 cw(c106.5,47.45) 106.535,47.486

## Polygon pours and split planes (outlines as drawn)
+1.8 on Top Layer "NONET_L02_P-001" (solid, pour order 49): 105.375,62.675 101.375,62.675 101.375,61.575 101.575,61.375 106.675,61.375 106.875,61.175 106.875,58.575 108.175,58.575 108.175,62.075 105.775,62.075
NetL3_1 on Top Layer "NONET_L02_P-001" (solid, pour order 48): 108.075,64.275 105.675,64.275 105.375,64.575 105.375,65.675 101.375,65.675 101.375,64.375 101.675,64.075 108.075,64.075
+1 on Top Layer "NONET_L02_P-001" (solid, pour order 21): 115.5,58 111.5,58 111.5,56.9 111.7,56.7 116.55,56.7 116.75,56.5 116.75,53.9 118.3,53.9 118.3,57.4 115.9,57.4
+5 on Top Layer "NONET_L02_P-001" (solid, pour order 51): 105.675,64.575 108.375,64.575 108.575,64.375 110.075,64.375 110.075,65.875 108.375,65.875 108.375,65.375 108.075,65.075 105.675,65.075
GND on Top Layer "NONET_L02_P-001" (solid, pour order 50): 110.05,64 110.05,58.65 108.625,58.65 108.625,63.275 105.675,63.275 105.675,63.8 108.375,63.8 108.725,64
+5 on Top Layer "NONET_L02_P-001" (solid, pour order 43): 126.175,60.1 128.875,60.1 129.075,59.9 130.575,59.9 130.575,61.4 128.875,61.4 128.875,60.9 128.575,60.6 126.175,60.6
GND on Top Layer "NONET_L02_P-001" (solid, pour order 42): 130.55,59.525 130.55,54.175 129.125,54.175 129.125,58.8 126.175,58.8 126.175,59.325 128.875,59.325 129.225,59.525
+3.3 on Top Layer "NONET_L02_P-001" (solid, pour order 41): 125.875,58.2 121.875,58.2 121.875,57.1 122.075,56.9 127.175,56.9 127.375,56.7 127.375,54.1 128.675,54.1 128.675,57.6 126.275,57.6
NetL4_1 on Top Layer "NONET_L02_P-001" (solid, pour order 40): 128.575,59.8 126.175,59.8 125.875,60.1 125.875,61.2 121.875,61.2 121.875,59.9 122.175,59.6 128.575,59.6
+5 on Top Layer "NONET_L02_P-001" (solid, pour order 39): 115.8,59.9 118.5,59.9 118.7,59.7 120.2,59.7 120.2,61.2 118.5,61.2 118.5,60.7 118.2,60.4 115.8,60.4
GND on Top Layer "NONET_L02_P-001" (solid, pour order 22): 120.175,59.325 120.175,53.975 118.75,53.975 118.75,58.6 115.8,58.6 115.8,59.125 118.5,59.125 118.85,59.325
NetL2_1 on Top Layer "NONET_L02_P-001" (solid, pour order 19): 118.2,59.6 115.8,59.6 115.5,59.9 115.5,61 111.5,61 111.5,59.7 111.8,59.4 118.2,59.4
GND on Layer 4 "NONET_L02_P-001" (solid, pour order 62): 0,0 0,90 140,90 140,0
+1 on Layer 4 "NONET_L02_P-001" (solid, pour order 60): 95,40.5 98.5,40.5 98.5,37.75 99.5,37.75 99.5,39.5 100.5,39.5 100.5,40.5 103.5,40.5 103.5,38.75 104.5,38.75 104.5,40.5 109.75,40.5 109.75,58.5 120.5,58.5 120.5,31 102,31 95,31
+1.8 on Layer 4 "NONET_L02_P-001" (solid, pour order 59): 81.25,38 78.25,38 78.25,45.75 101.5,63 109.75,63 109.75,40.5 104.5,40.5 104.5,38.75 103.5,38.75 103.5,40.5 100.5,40.5 100.5,39.5 99.5,39.5 99.5,37.75 98.5,37.75 98.5,40.5 95,40.5 92.5,40.5 89.75,43.25 81.25,43.25
MTGAVCC on Layer 4 "NONET_L02_P-001" (solid, pour order 58): 92.5,40.5 95,40.5 95,31 91.5,31 91.5,39.5 81.25,39.5 81.25,43.25 89.75,43.25
MTGAVTT on Layer 4 "NONET_L02_P-001" (solid, pour order 57): 81.25,39.5 91.5,39.5 91.5,31 81.25,31
PI_+3.3 on Power "NONET_L02_P-001" (solid, pour order 61): 0,0 61,0 61,5 75,19 75,74 71,78 61,78 61,90 0,90
+3.3 on Power "NONET_L02_P-001" (solid, pour order 54): 140,90 140,0 61,0 61,5 75,19 75,74 71,78 61,78 61,90
+5 on Bottom Layer "NONET_L02_P-001" (solid, remove dead copper, pour order 11): 0,90 140,90 140,53 101,53 101,60 67,60 67,51 16,51 16,38 15,38 0,38
GND on GND (split plane): 139.49,0.51 0.51,0.51 0.51,89.49 139.49,89.49
GND on GND2 (split plane): 139.49,0.51 0.51,0.51 0.51,89.49 139.49,89.49

## Other copper
Power:
  pour cut-out: 130,11
Layer 4:
  pour cut-out: 29,48 45,48 45,4 29,4
  text "Raspberry Pincushion / by Blinkinlabs" at 84.55,8.171 h1
GND (plane layer: these items are gaps in the copper):
  region: 93.46,26.44 93.46,27.36 93.14,27.36 93.14,26.44
  region: 92.86,26.44 92.86,27.36 92.54,27.36 92.54,26.44
  rectangle: 86.34,31.64 87.26,31.96
  rectangle: 86.34,32.24 87.26,32.56

## Silkscreen, mask and mechanical layers (free items; w line width, h text height)
Top Overlay:
  text "RPi 4 Compute Module + Artix 7 FPGA" at 80.225,12.647 h2
  text "'.Project'" at 80.15,10.655 h5
Mechanical 1:
  the board outline again, w0.1
Dimensions:
  lines w0.381: 0.299,-66.88 10.71,-66.88 34.326,-66.88 56.164,-66.88 72.67,-66.88 87.144,-66.88 ; 0.299,-63.832 10.71,-63.832 34.326,-63.832 56.164,-63.832 72.67,-63.832 87.144,-63.832 ; 0.299,-60.784 10.71,-60.784 34.326,-60.784 56.164,-60.784 72.67,-60.784 87.144,-60.784 ; 0.299,-57.736 10.71,-57.736 34.326,-57.736 56.164,-57.736 72.67,-57.736 87.144,-57.736 ; 0.299,-54.688 10.71,-54.688 34.326,-54.688 56.164,-54.688 72.67,-54.688 87.144,-54.688 ; 0.299,-51.64 10.71,-51.64 34.326,-51.64 56.164,-51.64 72.67,-51.64 87.144,-51.64 ; 0.299,-48.592 10.71,-48.592 34.326,-48.592 56.164,-48.592 72.67,-48.592 87.144,-48.592 ; 0.299,-45.544 10.71,-45.544 34.326,-45.544 56.164,-45.544 72.67,-45.544 87.144,-45.544 ; 0.299,-42.496 10.71,-42.496 34.326,-42.496 56.164,-42.496 72.67,-42.496 87.144,-42.496 ; 0.299,-39.448 10.71,-39.448 34.326,-39.448 56.164,-39.448 72.67,-39.448 87.144,-39.448 ; 0.299,-36.4 10.71,-36.4 34.326,-36.4 56.164,-36.4 72.67,-36.4 87.144,-36.4 ; 0.299,-33.352 10.71,-33.352 34.326,-33.352 56.164,-33.352 72.67,-33.352 87.144,-33.352 ; 0.299,-30.304 10.71,-30.304 34.326,-30.304 56.164,-30.304 72.67,-30.304 87.144,-30.304 ; 0.299,-27.256 10.71,-27.256 34.326,-27.256 56.164,-27.256 72.67,-27.256 87.144,-27.256 ; 0.299,-24.208 10.71,-24.208 34.326,-24.208 56.164,-24.208 72.67,-24.208 87.144,-24.208 ; 0.299,-21.16 10.71,-21.16 34.326,-21.16 56.164,-21.16 72.67,-21.16 87.144,-21.16 ; 0.299,-18.112 87.144,-18.112 ; 10.71,-15.064 10.71,-69.928 ; 34.326,-15.064 34.326,-69.928 ; 56.164,-15.064 56.164,-69.928 ; 72.67,-15.064 72.67,-69.928 ; 10.71,-69.928 34.326,-69.928 ; 10.71,-69.928 0.299,-69.928 0.299,-15.064 87.144,-15.064 87.144,-69.928 72.67,-69.928 ; 34.326,-69.928 56.164,-69.928 ; 56.164,-69.928 72.67,-69.928
  text "Layer" at 2.077,-17.35 h1.52
  text "Name" at 12.488,-17.35 h1.52
  text "Material" at 36.104,-17.35 h1.52
  text "Thickness" at 57.942,-17.35 h1.52
  text "Constant" at 74.448,-17.35 h1.52
  text "Top Overlay" at 12.488,-20.398 h1.52
  text "Top Solder" at 12.488,-23.446 h1.52
  text "Solder Resist" at 36.104,-23.446 h1.52
  text "0.59mil" at 57.942,-23.446 h1.52
  text "3.9" at 74.448,-23.446 h1.52
  text "1" at 2.077,-26.494 h1.52
  text "Top Layer" at 12.488,-26.494 h1.52
  text "Copper" at 36.104,-26.494 h1.52
  text "1.81mil" at 57.942,-26.494 h1.52
  text "Dielectric 2" at 12.488,-29.542 h1.52
  text "PP-006" at 36.104,-29.542 h1.52
  text "4.37mil" at 57.942,-29.542 h1.52
  text "3.23" at 74.448,-29.542 h1.52
  text "2" at 2.077,-32.59 h1.52
  text "GND" at 12.488,-32.59 h1.52
  text "Copper" at 36.104,-32.59 h1.52
  text "0.59mil" at 57.942,-32.59 h1.52
  text "Dielectric 4" at 12.488,-35.638 h1.52
  text "Core-009" at 36.104,-35.638 h1.52
  text "4.02mil" at 57.942,-35.638 h1.52
  text "3.66" at 74.448,-35.638 h1.52
  text "3" at 2.077,-38.686 h1.52
  text "Power" at 12.488,-38.686 h1.52
  text "Copper" at 36.104,-38.686 h1.52
  text "0.59mil" at 57.942,-38.686 h1.52
  text "Dielectric 6" at 12.488,-41.734 h1.52
  text "PP-006" at 36.104,-41.734 h1.52
  text "7.72mil" at 57.942,-41.734 h1.52
  text "3.61" at 74.448,-41.734 h1.52
  text "Dielectric 1" at 12.488,-44.782 h1.52
  text "Core-009" at 36.104,-44.782 h1.52
  text "20.98mil" at 57.942,-44.782 h1.52
  text "3.79" at 74.448,-44.782 h1.52
  text "Dielectric 7" at 12.488,-47.83 h1.52
  text "PP-006" at 36.104,-47.83 h1.52
  text "7.72mil" at 57.942,-47.83 h1.52
  text "3.61" at 74.448,-47.83 h1.52
  text "4" at 2.077,-50.878 h1.52
  text "Layer 4" at 12.488,-50.878 h1.52
  text "Copper" at 36.104,-50.878 h1.52
  text "0.59mil" at 57.942,-50.878 h1.52
  text "Dielectric 5" at 12.488,-53.926 h1.52
  text "Core-009" at 36.104,-53.926 h1.52
  text "4.02mil" at 57.942,-53.926 h1.52
  text "3.66" at 74.448,-53.926 h1.52
  text "5" at 2.077,-56.974 h1.52
  text "GND2" at 12.488,-56.974 h1.52
  text "Copper" at 36.104,-56.974 h1.52
  text "0.59mil" at 57.942,-56.974 h1.52
  text "Dielectric 3" at 12.488,-60.022 h1.52
  text "PP-006" at 36.104,-60.022 h1.52
  text "4.37mil" at 57.942,-60.022 h1.52
  text "3.23" at 74.448,-60.022 h1.52
  text "6" at 2.077,-63.07 h1.52
  text "Bottom Layer" at 12.488,-63.07 h1.52
  text "Copper" at 36.104,-63.07 h1.52
  text "1.81mil" at 57.942,-63.07 h1.52
  text "Bottom Solder" at 12.488,-66.118 h1.52
  text "Solder Resist" at 36.104,-66.118 h1.52
  text "0.59mil" at 57.942,-66.118 h1.52
  text "3.9" at 74.448,-66.118 h1.52
  text "Bottom Overlay" at 12.488,-69.166 h1.52
  text "Total board thickness (Board Layer Stack):" at 2.077,-72.214 h1.52
  text "60.36mil" at 65.049,-72.214 h1.52

## Dimensions
0,0 to 140,0 on Dimensions
0,0 to 0,90 on Dimensions

## Text inside footprints (layer, text, board x,y; h text height)
CM4: Top Overlay "PWR" at 38.398,65.761 h1 r270; Top Overlay "RAM" at 43.454,25.046 h1 r270; Top Overlay "CPU" at 42.754,40.846 h1 r270; Mechanical 4 "5V" at 64.675,55.675 h0.7 r270; Mechanical 4 "GPIO" at 64.375,46.599 h0.7 r270; Mechanical 4 "PCIe" at 29.9,42.949 h0.7 r270; Mechanical 4 "1V8" at 63.475,56.999 h0.7 r270; Mechanical 4 "DS1" at 30.4,59.049 h0.7 r270; Mechanical 4 "3V3" at 63.475,54.399 h0.7 r270; Mechanical 4 "USB" at 31.666,43.032 h0.7 r270; Mechanical 4 "TV" at 30.9,43.249 h0.7 r270; Mechanical 4 "CAM0" at 29.933,46.816 h0.7 r270; Mechanical 4 "DSI0" at 31,52.949 h0.7 r270; Mechanical 4 "ETH" at 64.4,41.249 h0.7 r270; Mechanical 4 "SD" at 65.641,54.333 h0.7 r270; Mechanical 4 "HDMI1" at 30.008,52.166 h0.7 r270; Mechanical 4 "HDMI0" at 30.225,56.699 h0.7 r270; Mechanical 4 "Wireless / Cutout" at 46.068,67.1 h0.9; Mechanical 4 "CAM1" at 31,46.749 h0.7 r270
J2: Mechanical 2 "PCB Edge" at -0.88,39.989 h0.61 r270
L1: Top Overlay "LABS" at 71.65,12.525 h3; Top Overlay "KIN" at 71.65,14.625 h3; Top Overlay "BLIN" at 71.65,16.725 h3
P2: Top Overlay "2" at 60.96,85.852 h1.27; Top Overlay "1" at 60.96,83.312 h1.27; Top Overlay "59" at 139.192,83.312 h1.27; Top Overlay "60" at 139.192,85.852 h1.27; Bottom Overlay "1" at 7.62,83.312 h1.27
P3: Top Overlay "22" at 72.532,36.576 h1.27 r270; Top Overlay "21" at 69.992,36.576 h1.27 r270; Top Overlay "2" at 72.532,66.04 h1.27 r270; Top Overlay "1" at 69.992,66.04 h1.27 r270
P4: Top Overlay "2" at 60.96,4.572 h1.27; Top Overlay "1" at 60.96,2.032 h1.27; Top Overlay "59" at 139.192,2.032 h1.27; Top Overlay "60" at 139.192,4.572 h1.27
P5: Top Overlay "2" at 124.37,66.218 h1.27 r180; Top Overlay "1" at 123.862,68.758 h1.27 r180; Top Overlay "7" at 112.686,68.758 h1.27 r180; Top Overlay "8" at 112.686,66.218 h1.27 r180
P6: Top Overlay "6" at 72.532,67.936 h1.27 r270; Top Overlay "5" at 69.992,67.936 h1.27 r270; Top Overlay "2" at 72.532,77.08 h1.27 r270; Top Overlay "1" at 69.992,76.572 h1.27 r270
P7: Top Overlay "2" at 120.13,74.992 h1.27; Top Overlay "1" at 120.638,72.452 h1.27; Top Overlay "7" at 131.814,72.452 h1.27; Top Overlay "8" at 131.814,74.992 h1.27
P11: Top Overlay "2" at 76.818,47.797 h1.27 r90; Top Overlay "1" at 79.358,47.797 h1.27 r90; Top Overlay "14" at 76.818,68.117 h1.27 r90; Top Overlay "13" at 79.358,68.117 h1.27 r90